# KiCad board soldiercrab_panel.kicad_pcb (continued)
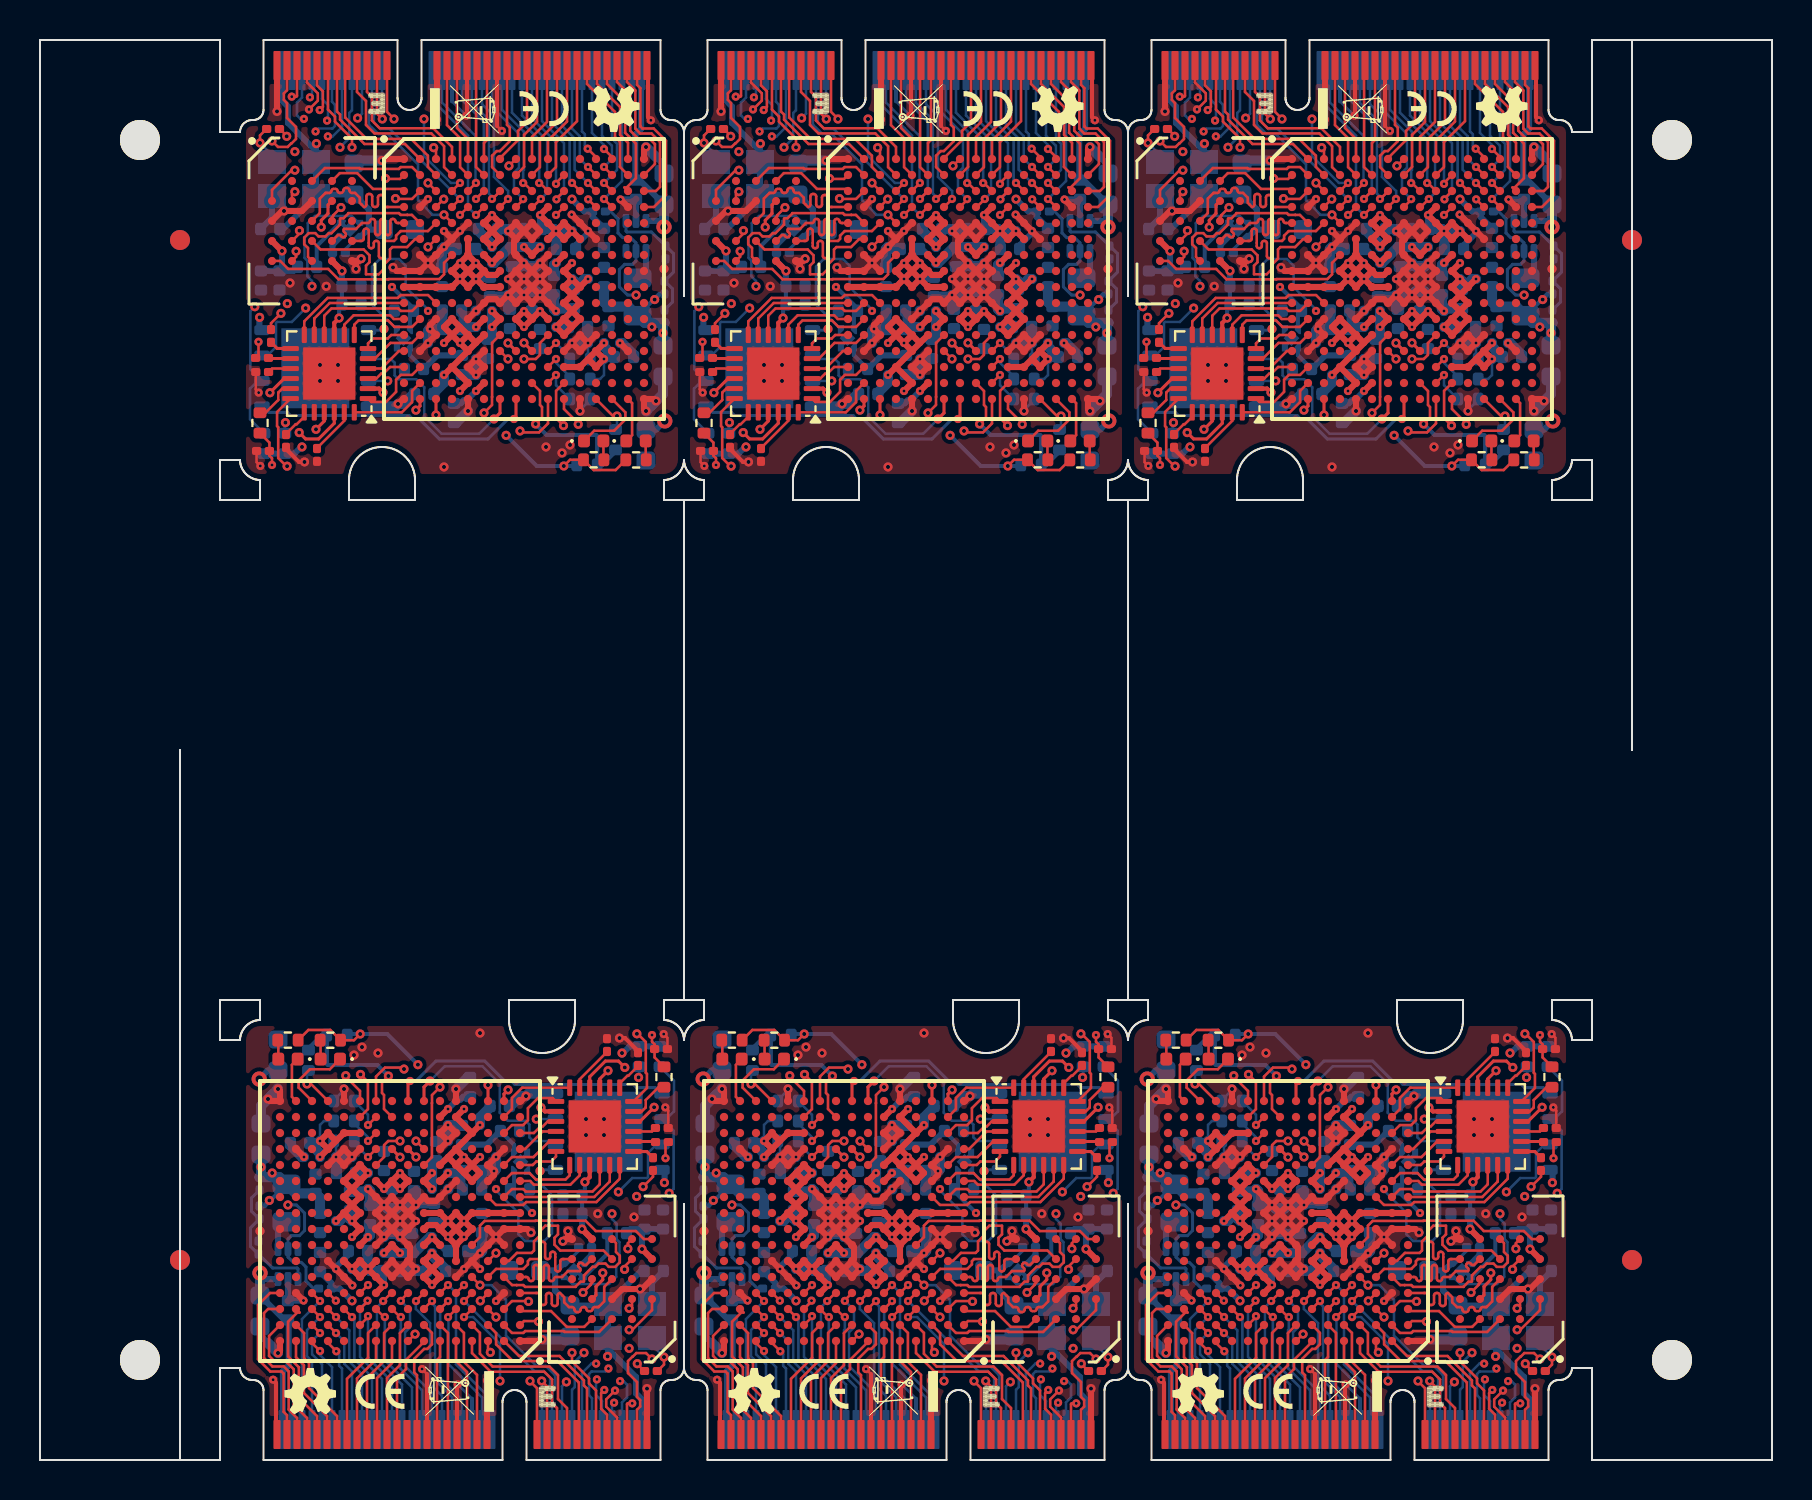
[diagram p0: board, top side]
## Routing (per net, layer and track width the routed paths; a pad name or vN(x,y) marks a point on that pad's centre or on a via; arc(x,y) is an arc through that point) (continued)
Board_4-/bank8_configuration/FPGA_CFG0: length 1.7
  Top w0.127: IC1#6.N10 v1(38.6,15.15)
  Bottom w0.127: v1(38.6,15.15) 37.91,15.84 R12.1
Board_4-/bank8_configuration/FPGA_CFG1: length 1.9
  Top w0.127: IC1#6.P10 v1(38.6,15.95)
  Bottom w0.127: v1(38.6,15.95) 38.6,16.14 37.91,16.83 R13#4.1
Board_4-/bank8_configuration/FPGA_CFG2: length 2.1
  Top w0.127: IC1#6.R10 v1(38.6,16.75)
  Bottom w0.127: v1(38.6,16.75) 38.6,17.26 R14#5.1
Board_4-/bank8_configuration/FPGA_CONFIG.~{PROGRAM}: length 8.5
  Top w0.127: v2(39.62,19.2) 39.3,18.88 39.3,18.35 39.4,18.25 39.4,17.55 IC1#6.R9
  Bottom w0.203: 35.55,20.51 36.29,21.25 R6#3.2 36.54,19.81 36.6,19.75 39.07,19.75 v2(39.62,19.2)
Board_4-/bank8_configuration/FPGA_FLASH_CLK: length 22.8
  Top w0.152: v2(40.2,15.14) 39.8,15.54 IC1#6.N9
  In1.Cu w0.152: v2(53.66,13.34) 53.07,12.75 46.98,12.75 46.97,12.76 46.63,12.76 46.62,12.75 44.83,12.75 42.82,14.76 41.63,14.76 41.32,14.45 40.89,14.45 v2(40.2,15.14)
  Bottom w0.127: U7#6.6 53.88,16.47 53.88,13.55 v2(53.66,13.34) ; 53.35,17.05 53.52,17.05 53.9,17.43 53.9,18.96 R109#3.2
Board_4-/bank8_configuration/~{CS_DI}: length 16.5
  Top w0.152: v2(41,15.15) IC1#6.N8
  In1.Cu w0.152: v2(52.13,19.13) 51.78,18.78 50.27,18.78 47.2,15.72 v2(47.2,14.45) 45.89,14.45 45.46,14.02 43.95,14.02 42.8,15.17 41.02,15.17 v2(41,15.15)
  Bottom w0.152: R110.2 52.16,19.16 v2(52.13,19.13) ; 48.1,14.51 47.26,14.51 v2(47.2,14.45)
Board_4-/usb/ULPI_1V8: length 2.4
  Top w0.127: C34#3.1 50.55,20.4 49.19,19.04 U3#3.23
Board_4-/usb/ULPI_3V3: length 1.2
  Top w0.127: U3#3.15 52.8,16.43 C36#3.1
Board_4-ECP5_A2: length 7.6
  Top w0.127: J1#5.13 49.55,3.57 49.4,3.73 49.4,3.98 48.17,5.2 46.15,5.2 IC1#6.A2
Board_4-ECP5_A3: length 9.3
  Top w0.127: v2(44.72,5.38) 44.6,5.5 IC1#6.A3 ; J1#5.11 50,1.32 50,3.48 49.65,3.83 49.65,4.08 48.8,4.93 v2(48.8,5.37)
  In1.Cu w0.127: v2(44.72,5.38) 48.78,5.38 v2(48.8,5.37)
Board_4-ECP5_A4: length 8
  Top w0.127: IC1#6.A4 43.8,5.35 44.73,4.41 47.41,4.41 47.8,4.02 47.8,2.84 48.05,2.6 J1#5.19
Board_4-ECP5_A5: length 4.9
  Top w0.127: J1#5.37 43.55,4.4 43,4.95 IC1#6.A5
Board_4-ECP5_A6: length 4.7
  Top w0.127: IC1#6.A6 42.2,5.15 42.05,5 J1#5.43
Board_4-ECP5_A7: length 5.3
  Top w0.127: IC1#6.A7 41.4,5.81 41.3,5.81 40.5,5.01 40.5,4.55 40.05,4.1 J1#5.51
Board_4-ECP5_A9: length 5
  Top w0.127: IC1#6.A9 39.8,4.85 39.05,4.1 J1#5.55
Board_4-ECP5_A10: length 5.1
  Top w0.127: J1#5.59 38.05,4.08 39,5.03 IC1#6.A10
Board_4-ECP5_A13: length 4.7
  Top w0.127: v1(37.02,5.44) 36.6,5.85 IC1#6.A13
  Bottom w0.127: v1(37.02,5.44) 37.16,5.29 37.16,4.71 37.3,4.57 J1#5.62
Board_4-ECP5_A14: length 4.8
  Top w0.127: IC1#6.A14 35.8,5.85 v1(36.2,5.45)
  Bottom w0.127: J1#5.64 36.8,4.65 36.55,4.89 36.55,4.9 36.2,5.25 v1(36.2,5.45)
Board_4-ECP5_A15: length 5.3
  Top w0.127: IC1#6.A15 35,5.14 35.4,4.74 35.4,3.35 36.55,2.2 J1#5.65
Board_4-ECP5_B3: length 8.7
  Top w0.127: IC1#6.B3 45,6.35 45,5.79 45.84,4.95 48.07,4.95 49.14,3.87 49.14,1.37 J1#5.15
Board_4-ECP5_B4: length 9.1
  Top w0.127: J1#5.17 48.55,2.6 48.1,3.05 48.1,4.25 47.68,4.67 44.84,4.67 44.2,5.31 44.2,6.35 IC1#6.B4
Board_4-ECP5_B5: length 5.9
  Top w0.127: IC1#6.B5 43.4,6.35 43.4,4.91 44.05,4.26 J1#5.35
Board_4-ECP5_B6: length 5.7
  Top w0.127: J1#5.41 42.6,1.32 42.6,6.35 IC1#6.B6
Board_4-ECP5_B7: length 6.2
  Top w0.127: J1#5.47 41.05,4.24 40.91,4.38 40.91,5.06 41.41,5.55 41.56,5.55 41.8,5.79 41.8,6.35 IC1#6.B7
Board_4-ECP5_B8: length 5.9
  Top w0.127: IC1#6.B8 40.2,6.35 40.2,4.74 39.55,4.1 J1#5.53
Board_4-ECP5_B9: length 6
  Top w0.127: IC1#6.B9 39.4,6.35 39.4,4.95 38.55,4.1 J1#5.57
Board_4-ECP5_B10: length 6.1
  Top w0.127: IC1#6.B10 38.6,6.35 38.6,5.11 37.55,4.06 J1#5.61
Board_4-ECP5_B11: length 6.8
  Top w0.127: v1(38.6,7.19) 38.6,7.15 IC1#6.B11
  Bottom w0.127: J1#5.52 39.8,1.53 39.8,3.91 38.6,5.11 v1(38.6,7.19)
Board_4-ECP5_B13: length 5.8
  Top w0.127: v1(37,6.35) 36.6,6.75 IC1#6.B13 36.64,6.75
  Bottom w0.127: J1#5.60 37.8,4.43 37.41,4.82 37.41,5.94 v1(37,6.35)
Board_4-ECP5_B14: length 5.8
  Top w0.127: IC1#6.B14 36.2,6.35 v1(36.2,6.35)
  Bottom w0.127: J1#5.66 36.3,4.79 35.8,5.29 35.8,5.95 v1(36.2,6.35)
Board_4-ECP5_B15: length 6.3
  Top w0.127: IC1#6.B15 35.4,6.35 35.4,5.09 35.65,4.85 35.65,3.6 37.05,2.2 J1#5.63
Board_4-ECP5_B16: length 6.8
  Top w0.127: J1#5.69 35.55,2.1 34.89,2.76 34.89,4.53 34.49,4.93 33.93,4.93 33.65,5.2 33.65,6.2 IC1#6.B16
Board_4-ECP5_C4: length 14.2
  Top w0.127: v1(43.4,7.15) 43.8,7.55 IC1#6.C4
  In1.Cu w0.127: v2(45.2,3.95) 45.68,4.43 50.21,4.43 50.44,4.19 50.44,4.01 50.5,3.95 v1(51.2,3.95)
  Bottom w0.127: v1(51.2,3.95) 51.38,3.95 51.55,3.77 51.55,3.13 51.3,2.88 J1#5.6 ; v2(45.2,3.95) 45.2,5.8 43.85,7.15 v1(43.4,7.15) 43.49,7.24
Board_4-ECP5_C5: length 6.9
  Top w0.127: v1(42.6,7.15) 43,7.54 IC1#6.C5 43,7.54
  Bottom w0.127: J1#5.34 44.3,3.12 43.25,4.18 43.25,4.18 42.63,4.8 42.63,7.12 v1(42.6,7.15)
Board_4-ECP5_C6: length 7.6
  Top w0.127: IC1#6.C6 42.21,7.55 42.6,7.94 v1(42.6,7.95) 42.6,7.95 42.61,7.95
  Bottom w0.127: 42.61,7.95 42.21,7.55 42.21,4.1 43.3,3.01 J1#5.38
Board_4-ECP5_C7: length 7.5
  Top w0.127: 41.74,7.9 41.4,7.57 IC1#6.C7
  Bottom w0.127: 41.74,7.9 41.69,7.95 v1(41.8,7.95) 41.8,7.84 41.95,7.68 41.95,3.99 42.8,3.15 J1#5.40
Board_4-ECP5_C9: length 6.7
  Top w0.127: v1(40.24,7.15) 40.2,7.15 IC1#6.C9
  Bottom w0.127: J1#5.46 41.3,3.49 40.2,4.59 40.2,6.49 40.24,6.54 v1(40.24,7.15)
Board_4-ECP5_C10: length 6.8
  Top w0.127: v1(39.44,7.15) 39.4,7.15 IC1#6.C10
  Bottom w0.127: v1(39.44,7.15) 39.44,4.99 40.8,3.63 J1#5.48
Board_4-ECP5_C11: length 7.6
  Top w0.127: IC1#6.C11 38.58,7.93 v1(38.58,7.97)
  Bottom w0.127: v1(38.58,7.97) 38.2,7.59 38.2,5.15 39.3,4.05 J1#5.54
Board_4-ECP5_C12: length 6.6
  Top w0.127: IC1#6.C12 37.4,7.55 v1(37.8,7.15)
  Bottom w0.127: v1(37.8,7.15) 37.92,7.03 37.92,5.03 38.8,4.15 J1#5.56
Board_4-ECP5_C13: length 6.7
  Top w0.127: IC1#6.C13 v1(37,7.15)
  Bottom w0.127: v1(37,7.15) 37.67,6.48 37.67,4.92 38.3,4.29 J1#5.58
Board_4-ECP5_C14: length 6.6
  Top w0.127: IC1#6.C14 36.2,7.15 v1(36.2,7.15)
  Bottom w0.127: v1(36.2,7.15) 35.55,6.5 35.55,5.18 35.8,4.93 J1#5.68
Board_4-ECP5_C15: length 7.2
  Top w0.127: IC1#6.C15 35.18,7.38 35.07,7.38 34.6,6.91 34.6,5.18 35.14,4.64 35.14,3.11 36.05,2.2 J1#5.67
Board_4-ECP5_C16: length 8
  Top w0.127: J1#5.71 35.05,2.1 34.63,2.52 34.63,4.43 34.39,4.68 33.82,4.68 33.4,5.1 33.4,7.35 33.6,7.55 IC1#6.C16
Board_4-ECP5_D4: length 9.3
  Top w0.127: IC1#6.D4 43.47,8.02 v1(43.4,7.95) 43.47,8
  Bottom w0.127: v1(43.4,7.95) 43.41,7.95 46.91,4.45 47.38,4.45 47.7,4.12 47.7,3.75 47.3,3.35 J1#5.22
Board_4-ECP5_D5: length 16.4
  Top w0.127: v1(43.4,8.75) 43,8.35 IC1#6.D5 43,8.36
  In1.Cu w0.127: v1(50.9,2.87) 51.6,3.56 51.6,4.75 50.75,5.6 50.23,5.6 49.57,4.95 48.63,4.95 48.44,5.13 45.06,5.13 44.89,4.96 44.28,4.96 43.8,5.45 43.8,8.35 v1(43.4,8.75)
  Bottom w0.127: v1(50.9,2.87) 50.8,2.76 J1#5.8
Board_4-ECP5_D6: length 8.7
  Top w0.127: 42.61,8.75 42.6,8.75 v1(42.6,8.75) 42.6,8.74 42.21,8.35 IC1#6.D6
  Bottom w0.127: J1#5.32 44.8,2.98 43.35,4.43 43.35,4.43 43,4.78 43,8.36 42.61,8.75
Board_4-ECP5_D7: length 7.6
  Top w0.127: 40.99,7.95 40.99,7.95 v1(41,7.95) 41,7.96 41.39,8.35 IC1#6.D7
  Bottom w0.127: 40.99,7.95 40.99,7.55 41.7,6.85 41.7,3.81 42.3,3.21 J1#5.42
Board_4-ECP5_D8: length 7.8
  Top w0.127: v1(40.24,7.95) 40.24,7.99 IC1#6.D8
  Bottom w0.127: J1#5.44 41.8,3.35 40.45,4.7 40.45,6.39 40.7,6.64 40.7,7.5 v1(40.24,7.95)
Board_4-ECP5_D9: length 7.7
  Top w0.127: IC1#6.D9 39.76,8.35 v1(39.36,7.95)
  Bottom w0.127: v1(39.36,7.95) 39.05,7.64 39.05,5.03 40.3,3.77 J1#5.50
Board_4-ECP5_D11: length 19.1
  Top w0.127: IC1#6.D11 38.2,8.35 v1(38.6,8.75)
  In2.Cu w0.127: v1(50.62,4.57) 50.47,4.43 49.84,4.43 49.58,4.69 42.19,4.69 41.01,5.88 40.78,5.88 39.85,6.81 39.85,8.02 39.52,8.34 39,8.34 v1(38.6,8.75)
  Bottom w0.127: J1#5.12 49.8,3.09 49.65,3.24 49.65,4.3 49.78,4.43 50.47,4.43 v1(50.62,4.57)
Board_4-ECP5_D13: length 20.5
  Top w0.127: IC1#6.D13 36.61,8.35 v1(36.99,7.97) ; IC1#6.D13 36.6,8.35 ; IC1#6.D13 36.64,8.35
  In1.Cu w0.127: v1(36.99,7.97) 36.99,8.46 37.68,9.15 40.5,9.15 41.4,8.24 41.4,7.48 44.21,4.68 49.87,4.68 v1(50.01,4.82)
  Bottom w0.127: v1(50.01,4.82) 49.77,4.82 49.3,4.35 49.3,1.53 J1#5.14
Board_4-ECP5_D14: length 7.4
  Top w0.127: IC1#6.D14 v1(36.2,7.95)
  Bottom w0.127: J1#5.70 35.3,3.05 35.3,3.05 35.3,7.05 v1(36.2,7.95)
Board_4-ECP5_D16: length 8.8
  Top w0.127: J1#5.73 34.55,2.24 34.38,2.41 34.38,4.32 34.28,4.42 33.72,4.42 33.1,5.04 33.1,7.75 33.7,8.35 IC1#6.D16
Board_4-ECP5_E4: length 10
  Top w0.127: IC1#6.E4 43.8,9.14 v2(44.2,8.74)
  Bottom w0.127: v2(44.2,8.74) 44.77,8.74 45.5,8.01 45.5,6.22 47.02,4.7 47.48,4.7 47.96,4.23 47.96,3.6 47.8,3.45 J1#5.20
Board_4-ECP5_M10_TDO: length 20.8
  Top w0.127: v2(46.7,3.95) 46.7,3.94 47.05,3.59 J1#5.23 ; IC1#6.M10 39.4,15.15 39.4,15.75 39.61,15.95 v2(40.2,15.95)
  In4.Cu w0.127: v2(46.7,3.95) 45.7,4.95 45.7,11.95 41.2,16.45 40.7,16.45 v2(40.2,15.95)
Board_4-ECP5_R11_TDI: length 27.6
  Top w0.127: v2(38.22,19.28) 38.6,18.91 38.6,17.55 IC1#6.R11
  In4.Cu w0.127: v2(38.22,19.28) 39.56,17.95 44.2,17.95 45.7,16.45 45.7,14.9 46.21,14.4 46.21,5.85 46.63,5.43 47.22,5.43 48.52,4.13 v2(48.52,3.9)
  Bottom w0.127: J1#5.18 48.3,3.69 v2(48.52,3.9)
Board_4-ECP5_T10_TCK: length 28.3
  Top w0.127: v2(40.4,19.55) 40.33,19.62 39.45,19.62 39,19.17 IC1#6.T10
  In4.Cu w0.127: v2(40.4,19.55) 40.6,19.35 41.5,19.35 41.53,19.37 43.14,19.37 45.95,16.56 45.95,15.01 46.46,14.5 46.46,13.25 47.2,12.51 47.2,11.22 46.46,10.49 46.46,8.69 47.05,8.1 47.05,7.76 46.5,7.21 46.5,6.65 46.7,6.45 47.47,6.45 47.72,6.2 47.72,5.85 49.54,4.03 v1(50.05,4.03)
  Bottom w0.127: J1#5.10 50.3,2.95 50,3.25 50,3.98 v1(50.05,4.03)
Board_4-ECP5_T11_TMS: length 26.7
  Top w0.127: v2(37.49,19.22) 37.49,19.16 38.2,18.45 IC1#6.T11 ; v2(47.28,3.95) 47.55,3.68 J1#5.21
  In4.Cu w0.127: v2(47.28,3.95) 47.28,3.96 46.87,4.37 46.87,4.37 45.95,5.28 45.95,14.23 45.45,14.73 45.45,16.34 44.65,17.15 42.44,17.15 41.89,17.69 38.96,17.69 37.49,19.16 v2(37.49,19.22)
Board_4-EN: length 45.1
  In2.Cu w0.127: v2(50.8,12.32) 50.17,12.95 45.6,12.95 v1(45,13.55)
  In2.Cu w0.152: v1(45,13.55) 45.41,13.96 45.41,16.34 43.79,17.96 41.2,17.96 40.4,17.16 36.83,17.16 34.6,14.92 v2(34.6,12.75)
  Bottom w0.127: U4#2.3 48.82,8.8 50.65,8.8 51.01,9.16 51.01,9.7 51.17,9.87 51.17,10.89 51.03,11.03 51.03,11.81 50.8,12.05 v2(50.8,12.32) ; U2#6.3 47.8,13.23 47.8,11.34 47.41,10.95 46.46,10.95 46.12,11.29 46.12,12.36 45,13.48 v1(45,13.55)
  Bottom w0.152: v2(34.6,12.75) 35.02,12.75 35.43,12.35 35.43,11.47 35.17,11.22 34.77,11.22 34.6,11.05 U1#2.5 34.6,10.15 34.87,9.88 35.27,9.88 35.5,9.65 35.5,8.95 35.88,8.57 R1.1
Board_4-GND: length 114.2
  Top w0.127: J1#5.7 51.05,2.13 50.51,2.67 50.51,3.03 v1(50.95,3.47) ; 34,1.33 J1#5.75 ; v1(53.47,17.63) 53.61,17.48 C36#3.2 ; v1(33.86,4.01) 34,3.87 ; C37.2 53.57,21.11 v1(53.38,21.3) ; 41.55,4.3 v1(41.3,4.55) ; v1(43.08,3.78) 43.05,3.75
  Top w0.203: 43.05,3.75 J1#5.39 ; v2(51.18,21.1) 51.45,21.1 52.02,20.52 52.02,20.37 ; 34,3.87 34,1.33 ; J1#5.45 41.55,4.3
  Top w0.305: v2(47.3,6.03) 47.22,5.95 IC1#6.A1 ; v1(41,12.75) IC1#6.K7 41.6,12.95 42,12.95 IC1#6.K6 v1(42.6,13.55) IC1#6.L5 ; v1(41,12.75) IC1#6.J8 ; v1(41,12.75) IC1#6.K8 v1(40.2,12.75) ; v1(37,15.15) IC1#6.N12 v1(37.8,15.15) ; v1(37,15.15) IC1#6.M12 v1(37.8,15.15) ; v1(37,15.15) IC1#6.M13 ; v1(35.38,7.97) 35.38,7.98 IC1#6.D15 ; v1(45,11.15) IC1#6.G3 v1(44.2,10.35) IC1#6.F4 ; v1(45,11.15) IC1#6.H3 ; v1(45,11.15) IC1#6.H2 IC1#6.H1 46.57,11.55 v2(46.75,11.37) ; v1(45,11.15) IC1#6.G2 ; IC1#6.F4 v1(44.2,9.55) ; IC1#6.F4 v1(43.4,9.55) IC1#6.E5 ; IC1#6.J9 v1(40.2,11.95) ; IC1#6.J9 v1(40.2,12.75) ; IC1#6.J9 v1(39.4,11.95) ; IC1#6.J9 v1(39.4,12.75) ; v1(40.2,11.95) IC1#6.J8 ; v1(40.2,11.95) IC1#6.H8 ; v1(40.2,11.95) IC1#6.H9 ; IC1#6.N2 v1(45,15.15) IC1#6.M3 v1(44.9,14.45) 44.9,14.25 IC1#6.L3 ; U10.C1 52.3,8.55 v2(52.2,8.55) 51.3,8.55 U10.B3 ; v2(34.1,18.55) 34.2,18.45 IC1#6.T16 33.7,17.95 v2(33.6,18.05) ; IC1#6.J8 v1(41,11.95) IC1#6.H8 ; IC1#6.J8 v1(40.2,12.75) ; v1(39.4,12.75) IC1#6.K9 v1(40.2,12.75) ; v1(39.4,12.75) IC1#6.K10 v1(38.6,13.55) ; v1(39.4,12.75) IC1#6.J10 v1(39.4,11.95) ; IC1#6.T12 v2(37.4,18.55) ; v2(46.5,18.2) 46.25,17.95 IC1#6.T1 ; IC1#6.N6 v1(42.6,15.95) ; v1(42.6,15.95) IC1#6.P5 v1(42.6,16.75) IC1#6.P6 v1(42.6,15.95) ; IC1#6.F13 v1(37,9.55) IC1#6.E12 37.82,8.73 v1(37.82,8.73) ; v2(48.6,11.45) 48.6,11.25 U10.E5 48.46,11.05 v2(48.35,10.94) ; IC1#6.N15 v1(35.4,15.15) ; IC1#6.H8 v1(40.2,11.15) ; IC1#6.H9 v1(40.2,11.15) ; IC1#6.H9 v1(39.4,11.15) ; IC1#6.H9 v1(39.4,11.95) ; v1(40.2,11.15) IC1#6.G8 40.7,10.65 40.7,10.05 IC1#6.F8 ; J1#5.33 v1(44.55,3.97) ; v1(37.8,15.15) IC1#6.N11 ; IC1#6.F8 IC1#6.E9 39.4,9.55 IC1#6.F9 IC1#6.E8 v1(41,9.55) IC1#6.F8 ; v1(39.4,11.95) IC1#6.H10 v1(39.4,11.15) ; IC1#6.A16 34.2,5.45 v2(34.1,5.35) ; v1(39.4,11.15) IC1#6.G10 ; IC1#6.D2 v1(45,7.95) ; v2(52.55,3.57) J1#5.1 ; IC1#6.T5 v2(43,18.55)
  In2.Cu w0.127: v1(53.38,21.3) 53.38,21.13 53.02,20.77 51.51,20.77 v2(51.18,21.1)
  Bottom w0.127: 45.04,14.91 45,14.95 ; R12.2 37,15.84 v1(37,15.15) ; U2#6.2 46.23,15.01 U2#6.2 ; v1(43.08,3.78) 43.8,3.07 ; R3#2.2 33.13,11.37 v2(33.2,11.45) ; v2(37.4,18.55) 37.4,18.5 36.89,18 R14#5.2
  Bottom w0.203: C65#5.2 50.56,10.31 49.4,9.15 U4#2.2 49.01,9.47 U4#2.2 ; 43.8,3.07 J1#5.36
  Bottom w0.305: v2(52.2,8.55) 52.2,8.4 Y1#3.2 52.8,8.88 C10.2 ; 33.6,5.85 33.2,6.25 C2#4.2 ; C79.2 37.62,10.27 37,9.65 v1(37,9.55) 37,9.55 v1(37.82,8.73) ; U1#2.2 34.6,7.97 v1(35.38,7.97)
  Bottom w0.508: C18#3.2 41.1,9.45 v1(41,9.55) 40.9,9.45 C14#5.2 ; C83#3.2 44.3,10.45 v1(44.2,10.35) 44.1,10.45 C15#4.2 ; v1(35.4,15.15) 35.3,15.15 34.72,15.73 C80#6.2 ; 45.68,17.65 46.23,18.2 v2(46.5,18.2) 46.62,18.32 48.1,18.32 ; v2(47.3,6.03) 48.55,6.03 C4.2 ; v1(37.8,15.15) v1(37,15.15) 37.02,15.13 C8#5.2 ; v1(39.4,11.15) 39.58,11.33 C13#2.2 40.02,11.33 v1(40.2,11.15) 40.38,11.33 C9.2 ; 41,13.47 v1(41,12.75) ; v1(41,12.75) v1(40.2,12.75) 40.02,12.57 C17#2.2 39.58,12.57 v1(39.4,12.75) 38.98,12.75 ; v1(41,12.75) 41.08,12.83 C19.2 ; C12#5.2 C33#6.2 v1(44.9,14.45) 45,14.55 v1(45,15.15) ; v2(33.6,18.05) 33.83,18.28 ; 33.83,18.28 v2(34.1,18.55) 34.08,18.58 ; 33.83,18.28 33.25,17.7 C3#6.2 ; C16#2.2 38.48,13.43 v1(38.6,13.55) 38.7,13.45 C24.2 ; C81#6.2 43.58,19.13 v2(43,18.55) ; C26#6.2 42.02,15.95 v1(42.6,15.95) v1(42.6,16.75) 43.28,16.75 C22#2.2 ; 42.62,13.53 v1(42.6,13.55) ; v2(34.1,5.35) 33.6,5.85
  vias: v2(37.9,20.25) v2(38.3,20.65) v2(39.1,20.35) v2(44.2,21.35) v2(49.5,17.05) v2(49.5,16.25) v2(50.09,12.32) v2(50.4,17.05) v2(50.4,16.25) v2(51.9,12.15)
Board_4-Net-(D1-A): length 1
  Top w0.127: D1#3.2 34.12,20.97 R11.1
Board_4-Net-(D1-K): length 2.3
  Top w0.127: 35.09,20.05 34.8,19.76 34.8,18.15 IC1#6.T15
Board_4-Net-(D2-A): length 1
  Top w0.127: D2.2 36.23,20.97 R15#3.1
Board_4-Net-(D2-K): length 3.8
  Top w0.127: D2.1 36.69,19.54 35.69,19.54 35.13,18.97 35.13,18.62 IC1#6.T14
Board_4-Net-(U1-FB): length 6.7
  Bottom w0.152: R2#2.1 32.77,13.1 32.77,12.44 33.15,12.06 C25.1 32.72,11.6 32.72,10.68 33.1,10.3 R3#2.1 33.83,9.6 35.05,9.6 35.1,9.55 U1#2.1
Board_4-Net-(U1-SW): length 1.5
  Bottom w0.305: L1#2.1 34.1,11.48 U1#2.4
Board_4-Net-(U3-DM): length 1.1
  Top w0.152: U3#3.14 51.88,15.93 52.98,15.93
Board_4-Net-(U3-DP): length 1.1
  Top w0.152: R10.2 52.55,15.42 51.88,15.42 U3#3.13
Board_4-Net-(U3-RBIAS): length 1.5
  Top w0.127: U3#3.19 51.19,18.83 51.56,19.21 51.61,19.21 52.02,19.62 52.02,19.73
Board_4-Net-(U3-VBUS): length 2.2
  Top w0.127: R8#5.1 53.13,18.64 52.49,18 52.49,17.63 52.29,17.43 U3#3.17
Board_4-Net-(Y1-OUT): length 2.1
  Top w0.127: v2(53.4,5.15) 53.4,4.77 53.07,4.44
  Bottom w0.127: v2(53.4,5.15) 52.8,5.75 Y1#3.3
Board_4-USB0_DM: length 16.8
  Top w0.127: v1(51.81,2.83) 51.58,2.83 51.55,2.8 J1#5.5 ; v1(53.48,15.09) 53.48,15.75 53.62,15.9 53.62,15.93
  In2.Cu w0.127: v1(51.81,2.83) 51.81,3.56 52.5,4.25 53.09,4.25 53.82,4.97 53.82,5.32 53.38,5.76 53.38,5.93 53.39,5.94 53.39,12.99 52.9,13.48 52.9,14.51 v1(53.48,15.09)
Board_4-USB0_DP: length 15.7
  Top w0.127: J1#5.3 52.05,2.51 52.21,2.67 52.21,3 52.05,3.15 52.05,3.9 51.6,4.35 51.6,4.95 51.82,5.16 51.83,5.16 52.01,5.35 52.5,5.35 v2(52.8,5.05) ; 52.95,14.48 R10.1 52.85,14.16 v2(52.35,13.67)
  In2.Cu w0.127: v2(52.35,13.67) 53.13,12.89 53.13,6.05 52.8,5.71 v2(52.8,5.05)
Board_4-USB0_ID: length 28.8
  Top w0.127: U3#3.18 52.55,18.6 52.55,19.3 52.49,19.36 52.49,20.9 52.08,21.31 v2(52.04,21.31)
  In4.Cu w0.127: v2(52.04,21.31) 52.14,21.31 52.73,20.72 52.73,18.06 52.49,17.81 52.49,15.69 53,15.17 53,11.48 53.84,10.65 53.84,6.38 53.45,6 50.03,6 v2(49.4,5.37)
  Bottom w0.127: J1#5.16 48.8,3.51 48.94,3.65 48.94,4.9 v2(49.4,5.37)
Board_4-USB0_VBUS: length 24.5
  Top w0.127: v1(52.8,21.25) 52.8,20.91 52.93,20.78 52.93,20.13 R8#5.2 ; J1#5.9 50.55,2.27 50.26,2.56 50.26,3.35 v1(50.41,3.5)
  In1.Cu w0.127: v1(52.8,21.25) 52.8,20.8 52.5,20.5 52.5,19.71 52.8,19.41 52.8,18.85 52.49,18.54 52.49,14.77 51.86,14.15 51.86,13.35 v2(52.03,13.18)
  In2.Cu w0.127: v2(52.03,13.18) 52.88,12.33 52.88,6.15 52.31,5.58 v2(51.66,5.58)
  In4.Cu w0.127: v2(51.66,5.58) 51.66,4.96 50.72,4.02 50.72,3.81 v1(50.41,3.5)
Board_4-VCCRAM: length 38.3
  Top w0.152: U10.B4 50,8.25 50,8.68 50.34,9.02 v2(50.34,9.36)
  Top w0.203: U3#3.2 47.44,17.43 v2(47.25,17.62) ; U3#3.9 49.69,14.14 v2(49.45,13.9)
  Top w0.305: IC1#6.M4 44.2,14.35 IC1#6.L4 43.4,14.35 ; IC1#6.M4 v1(44.2,15.15) ; IC1#6.M4 43.4,14.35 ; IC1#6.M4 v1(43.4,15.15) ; U10.E4 v2(49.3,11.55) ; v1(42.6,11.95) 42.6,11.95 IC1#6.H6 ; v1(42.6,11.95) 42.2,12.35 IC1#6.J6 IC1#6.J7 ; v1(42.6,11.95) 42.6,11.95 ; 43.4,11.15 v1(43.4,11.15) 43.4,11.15 IC1#6.G5 ; 43.4,11.15 IC1#6.H5 ; 43.4,11.15 IC1#6.H4 43.4,11.95 ; IC1#6.H5 43.4,11.95 v1(43.4,11.95) 43.4,11.95 ; IC1#6.H5 42.6,11.15 ; IC1#6.H5 42.6,11.95 ; 43.4,11.95 IC1#6.J5 42.6,11.95 ; 43.4,11.95 IC1#6.J4 IC1#6.J3 IC1#6.J2 IC1#6.J1 ; IC1#6.H6 42.6,11.15 ; IC1#6.H6 42,11.75 41.6,11.75 IC1#6.H7 ; IC1#6.M5 v1(43.4,15.15) ; IC1#6.M5 43.4,14.35 ; IC1#6.M5 42.6,15.15 ; v1(43.4,15.15) IC1#6.N5 ; IC1#6.M6 42.6,15.15 ; 42.6,15.15 IC1#6.N5 ; IC1#6.N5 IC1#6.P4 ; IC1#6.G5 42.6,11.15 v1(42.6,11.15) 42.6,11.15 ; IC1#6.G5 IC1#6.F5 ; v1(43.4,17.55) IC1#6.R5 IC1#6.P4 ; IC1#6.P4 v1(44.2,16.75) ; U10.D1 v2(52.3,10.55)
  Bottom w0.203: C32#3.1 C5#5.1 49.45,13.37 v2(49.45,13.9)
  Bottom w0.305: 49.33,12.27 C32#3.1 49.31,11.55 v2(49.3,11.55) 49.78,11.07 R16#3.1 49.78,10.24 49.36,9.82 ; v1(43.4,11.95) 43.8,12.35 43.9,12.35 43.92,12.33 C83#3.1 ; C65#5.1 51.72,11.54 C31#2.1 ; C31#2.1 52.3,11.42 v2(52.3,10.55) ; C31#2.1 53.35,11.54 53.3,11.49 ; C19.1 41.98,11.95 v1(42.6,11.95)
  Bottom w0.508: 44.72,17.65 44.2,17.13 v1(44.2,16.75)
Board_5-+1V1: length 19.4
  Top w0.305: IC1#3.G7 v1(64,11.15) IC1#3.G6 ; IC1#3.L9 v1(62.4,13.55) IC1#3.L8 v1(62.4,14.35) IC1#3.L9 ; IC1#3.L9 v1(61.6,13.55) IC1#3.L10 ; v1(61.6,10.35) IC1#3.G9 v1(62.4,10.35)
  Bottom w0.203: v2(56.01,14.35) 56.57,13.78 L1#3.2 55.64,12.7 C25#2.2 55.59,12.7 v2(55.87,12.98)
  Bottom w0.305: C1#6.1 55.79,19.47 v3(55.36,19.05) ; v1(64,11.15) 64.7,10.45 C15.1
  Bottom w0.508: 58.4,12.33 58.4,13.1 58.18,13.33 57.18,13.33 L1#3.2 56.37,14.14 R2#4.2 55.45,14.22 v2(55.45,14.65) 55.45,15.28 ; v1(64,11.15) 63.9,11.15 63.12,10.37 C9#6.1 62.98,10.35 v1(62.4,10.35) 62.02,10.35 C13#5.1 61.98,10.35 v1(61.6,10.35)
Board_5-+2V5: length 16.9
  Top w0.305: v1(64,13.55) IC1#3.L7 v1(64,14.35) ; IC1#3.G11 v1(60.8,11.15)
  In3.Cu w0.305: v1(64,14.35) 64,11.84 63.52,11.35 63.52,10.78 62.6,9.87 61.4,9.87 60.8,10.46 v1(60.8,11.15)
  Bottom w0.203: 67.42,16.45 68.1,15.76 U2#4.1
  Bottom w0.305: 67.42,16.45 66.74,15.77 C22#5.1 65.43,15.77 64.63,14.97 C26#3.1
  Bottom w0.508: C24#4.1 60.9,11.25 v1(60.8,11.15) ; v1(64,13.55) v1(64,14.35) 64,14.77 C26#3.1
Board_5-+3V3: length 82.7
  Top w0.127: R11#3.2 57.82,21.5 58.92,21.5 R15#5.2 60.1,20.99 v2(60.41,21.3)
  Top w0.152: v2(75.11,17.64) 74.4,16.93 U3#6.16
  Top w0.305: v1(60.8,9.55) IC1#3.E11 v1(60,9.55) ; v1(60.8,9.55) IC1#3.F10 ; v1(60.8,9.55) IC1#3.E10 v1(61.6,8.75) IC1#3.D10 ; v1(60.8,9.55) IC1#3.F11 v1(60,9.55) ; 59.2,15.95 IC1#3.P13 v1(58.4,15.95) IC1#3.N13 ; 59.2,15.95 IC1#3.N13 ; 59.2,15.95 IC1#3.P12 IC1#3.P11 ; IC1#3.L11 IC1#3.K12 IC1#3.J11 v1(60,11.95) ; IC1#3.L11 60,14.35 ; IC1#3.L11 v1(60.8,14.35) IC1#3.M11 60,14.35 ; 60,14.35 IC1#3.L12 IC1#3.K11 IC1#3.J12 ; IC1#3.F7 63.7,10.05 ; 63.7,10.05 v1(64,10.35) IC1#3.F6 IC1#3.E7 v1(64,8.75) IC1#3.E6 63.7,9.85 63.7,10.05 ; IC1#3.N13 v1(58.4,15.15) ; v1(60,9.55) IC1#3.F12 ; v1(60,11.95) IC1#3.H11 v1(60,11.15) ; v1(60,11.95) IC1#3.J12 ; IC1#3.L6 v1(64.8,14.35) ; IC1#3.R6 v1(64.8,17.55) ; IC1#3.J12 v1(59.2,11.95)
  Bottom w0.127: v1(58.4,15.95) 58.4,16.75 58.6,16.95 R13#5.2
  Bottom w0.152: U4#5.4 71.34,10.46 R16#6.2
  Bottom w0.203: R6#2.1 59.81,21.3 v2(60.41,21.3) 61.76,21.3 v2(63.29,19.77) ; U2#4.4 68.1,13.72 67.92,13.53 67.92,13.43 v1(69,12.35)
  Bottom w0.305: v2(72.78,5.18) 72.8,5.2 Y1#5.4 ; Y1#5.1 72.73,7.72 70.9,7.72 70.16,8.47 70.16,9.42 ; Y1#5.1 74.45,9.45 C10#5.1 74.5,9.56 ; Y1#5.1 72.8,7.83 ; Y1#5.1 Y1#5.4 ; R109#4.1 R110#4.1 73.88,20.68 73.55,20.35 v2(73.5,20.35) ; Y1#5.4 72.8,5.55 74.2,4.15 74.2,3.33 74.5,3.03 J1#4.2 ; Y1#5.4 72.8,5.57 ; 70.16,9.42 70.1,9.48 69.41,9.48 ; 70.16,9.42 70.56,9.82 70.64,9.82 ; C14#6.1 61.6,9.37 v1(61.6,8.75) ; v1(64.8,17.55) 65.27,18.02 65.42,18.02 65.57,18.17 C81#5.1 ; v2(75.62,13.87) 75.63,13.88 75.63,14.51 ; C12.1 C33.1 65.6,14.53 ; v3(55.4,9.35) 55.7,9.05 U1.3 ; C18#4.1 64.68,9.43 v1(64,8.75) ; v2(60,7.96) 59.39,8.57 R1#3.2 58.97,8.85 C35#5.1 ; 55.4,8.22 56.83,6.79 56.83,4.73 56.54,4.44 56.54,1.57 J1#4.74
  Bottom w0.508: C33.1 65.42,14.35 v1(64.8,14.35) ; v1(59.2,11.95) 59.38,11.95 C16.1 59.9,12.05 v1(60,11.95) ; C14#6.1 60.9,9.45 v1(60.8,9.55) ; v1(60.8,9.55) v1(60,9.55) ; v1(60.8,9.55) 60.78,9.57 C79#4.1 ; v1(58.4,15.15) 58.4,15.33 C80#2.1 58.3,15.85 v1(58.4,15.95) ; C18#4.1 64.68,9.54 64,10.22 v1(64,10.35) ; 55.4,8.45 v3(55.4,9.35) ; C8#2.1 v1(60.8,14.35)
Board_5-/bank0_1/CLOCK_48MHZ: length 13.4
  Top w0.127: IC1#3.A8 62.81,5.95 v2(63.15,6.29) ; 74.63,4.44 74.26,4.8 v2(74.26,4.82)
  In2.Cu w0.127: v2(74.26,4.82) 73.92,5.16 73.38,5.16 73.12,5.43 73.12,5.44 72.87,5.69 72.51,5.69 71.77,4.95 64.5,4.95 v2(63.15,6.29)
Board_5-/bank2_3/~{FPGA_SELF_PROGRAM}: length 2.1
  Top w0.127: IC1#3.T13 57.95,18.8 v2(57.75,18.8) 57.75,18.85
  Bottom w0.127: 57.75,19.49 v2(57.75,18.8)
Board_5-/bank6_7/RAM.CK: length 12.5
  Top w0.127: U10#2.B2 74,7.73 v2(73.86,7.58) ; IC1#3.C3 66.8,7.55 v2(67.2,7.15)
  In2.Cu w0.127: v2(73.86,7.58) 73.86,7.1 73.2,6.45 71.13,6.45 70.99,6.31 arc(70.82,6.24) 70.65,6.31 70.58,6.38 arc(70.41,6.45) 70.24,6.38 70.16,6.3 arc(70.09,6.13) 70.16,5.96 70.23,5.89 arc(70.3,5.72) 70.23,5.55 69.3,5.55 arc(69.07,5.64) 68.98,5.87 68.98,6.23 arc(68.89,6.45) 68.66,6.55 68.5,6.55 arc(68.27,6.45) 68.18,6.23 68.18,5.87 arc(68.09,5.64) 67.86,5.55 67,6.41 67,6.95 v2(67.2,7.15)
Board_5-/bank6_7/RAM.DQ0: length 8
  Top w0.127: IC1#3.F2 67.84,9.95 68.25,10.35 68.98,10.35 69.1,10.47 69.1,10.93 69.37,11.2 69.37,11.42 69.67,11.71 70.3,11.71 70.3,11.28 70.13,11.11 70.13,10.76 70.42,10.47 72.58,10.47 U10#2.D3
Board_5-/bank6_7/RAM.DQ1: length 7.2
  Top w0.127: IC1#3.B1 68.6,6.95 69.3,6.95 v2(69.33,6.92) ; U10#2.D2 73.63,9.68 v2(73.63,9.53)
  In2.Cu w0.127: v2(69.33,6.92) 71.28,6.92 73.63,9.28 v2(73.63,9.53)
Board_5-/bank6_7/RAM.DQ2: length 6.8
  Top w0.127: U10#2.C4 72,8.85 71.93,8.79 71.93,8.76 v2(71.55,8.38) ; v2(68.83,7.93) 68.81,7.95 68,7.95 IC1#3.C2
  In2.Cu w0.127: v2(71.55,8.38) 71.43,8.5 70.9,8.5 arc(70.76,8.44) 70.71,8.31 70.71,7.76 arc(70.65,7.62) 70.52,7.57 70.42,7.57 arc(70.28,7.62) 70.23,7.76 70.23,8.31 arc(70.17,8.44) 70.04,8.5 69.39,8.5 v2(68.83,7.93)
Board_5-/bank6_7/RAM.DQ3: length 7.5
  Top w0.127: IC1#3.E1 68.73,9.15 arc(68.8,9.12) 68.83,9.05 arc(68.86,8.98) 68.93,8.95 68.98,8.95 arc(69.05,8.98) 69.08,9.05 69.08,9.65 arc(69.11,9.72) 69.19,9.75 69.24,9.75 arc(69.31,9.72) 69.34,9.65 69.34,9.05 arc(69.37,8.98) 69.44,8.95 69.49,8.95 arc(69.56,8.98) 69.59,9.05 69.59,9.65 arc(69.62,9.72) 69.69,9.75 69.74,9.75 arc(69.82,9.72) 69.85,9.65 69.85,9.05 arc(69.88,8.98) 69.95,8.95 70,8.95 arc(70.07,8.98) 70.1,9.05 arc(70.13,9.12) 70.2,9.15 70.5,9.15 70.8,9.45 71.4,9.45 arc(71.43,9.52) 71.4,9.59 71.33,9.66 arc(71.3,9.73) 71.33,9.8 71.37,9.84 arc(71.44,9.87) 71.51,9.84 71.58,9.77 arc(71.65,9.74) 71.72,9.77 U10#2.D4
Board_5-/bank6_7/RAM.DQ4: length 7.9
  Top w0.127: U10#2.D5 70.52,10.05 arc(70.45,10.02) 70.42,9.95 70.42,9.54 arc(70.39,9.47) 70.32,9.44 70.27,9.44 arc(70.19,9.47) 70.16,9.54 70.16,10.31 arc(70.13,10.38) 70.06,10.41 70.01,10.41 arc(69.94,10.38) 69.91,10.31 69.91,10.15 arc(69.88,10.08) 69.81,10.05 69.76,10.05 arc(69.69,10.08) 69.66,10.15 69.66,10.81 arc(69.63,10.88) 69.55,10.91 69.5,10.91 arc(69.43,10.88) 69.4,10.81 69.4,10.15 arc(69.37,10.08) 69.3,10.05 68.9,10.05 68.8,9.94 68.8,9.79 68.56,9.55 67.2,9.55 IC1#3.E3
Board_5-/bank6_7/RAM.DQ5: length 8.1
  Top w0.127: IC1#3.E2 68,8.75 68.23,8.75 68.24,8.75 68.56,8.75 68.65,8.66 71.18,8.66 71.18,8.67 71.43,8.92 71.57,8.92 71.6,8.95 71.6,9.23 72.03,9.66 72.16,9.66 72.33,9.82 72.67,9.82 72.84,9.66 73.16,9.66 73.39,9.89 73.39,10.21 73.2,10.4 73.2,10.85 U10#2.E3
